# Altium PCB ccd_bottom.PcbDoc (part 1 of 2)
Units mil, origin at the board's own origin, x right, y up, seen from the top; angles counter-clockwise.
Board outline 3937.01 x 3937.01 mil, 4 copper layers (Top Layer, GND2, PWR3, Bottom Layer), stack 72.967 mil thick; 86 components, 82 nets, 458 pads, 171 vias.
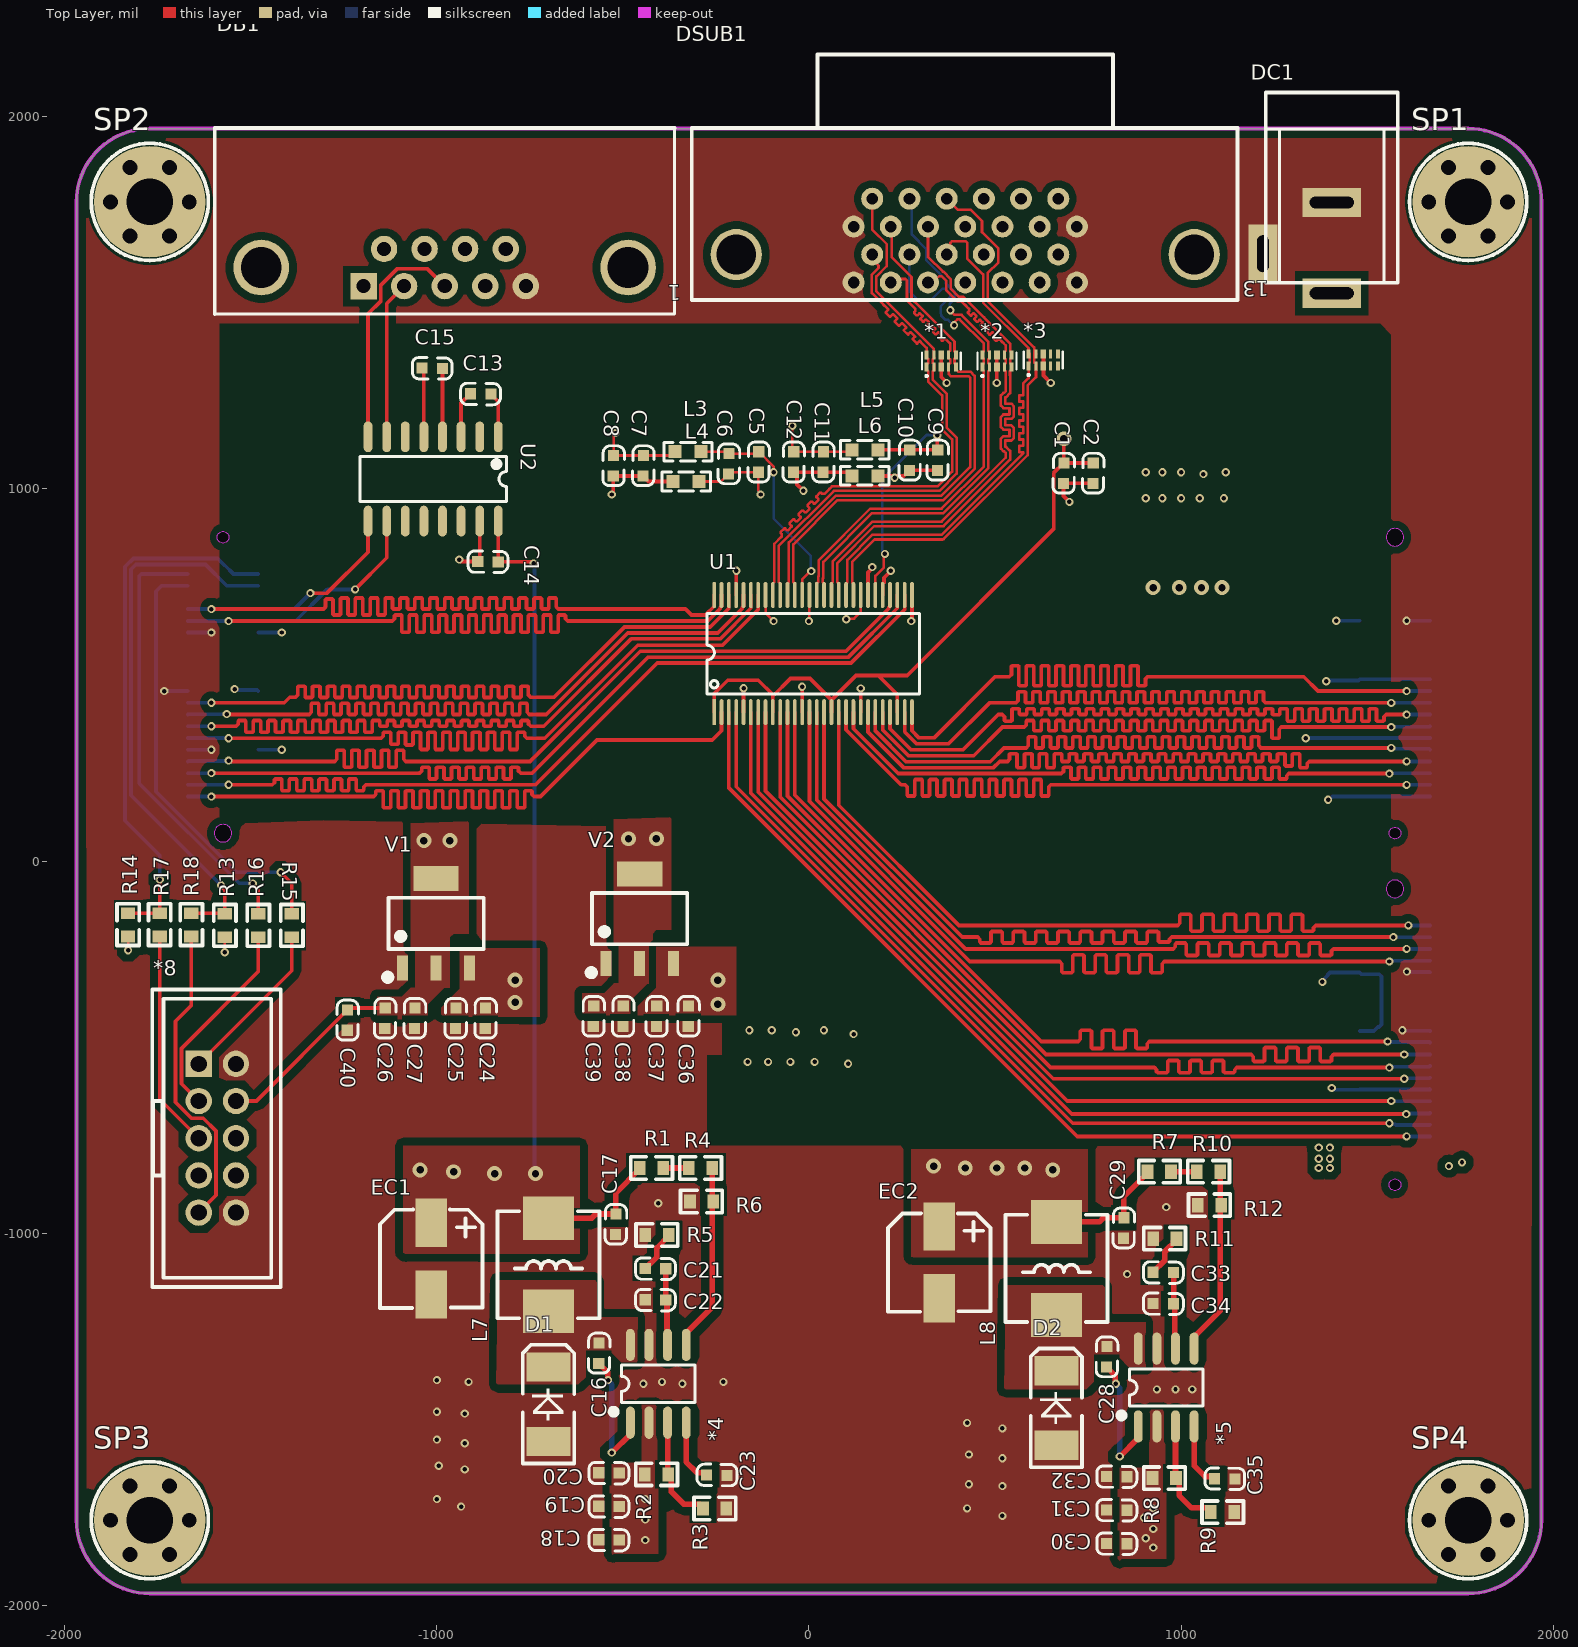
[diagram p0: Top Layer view]
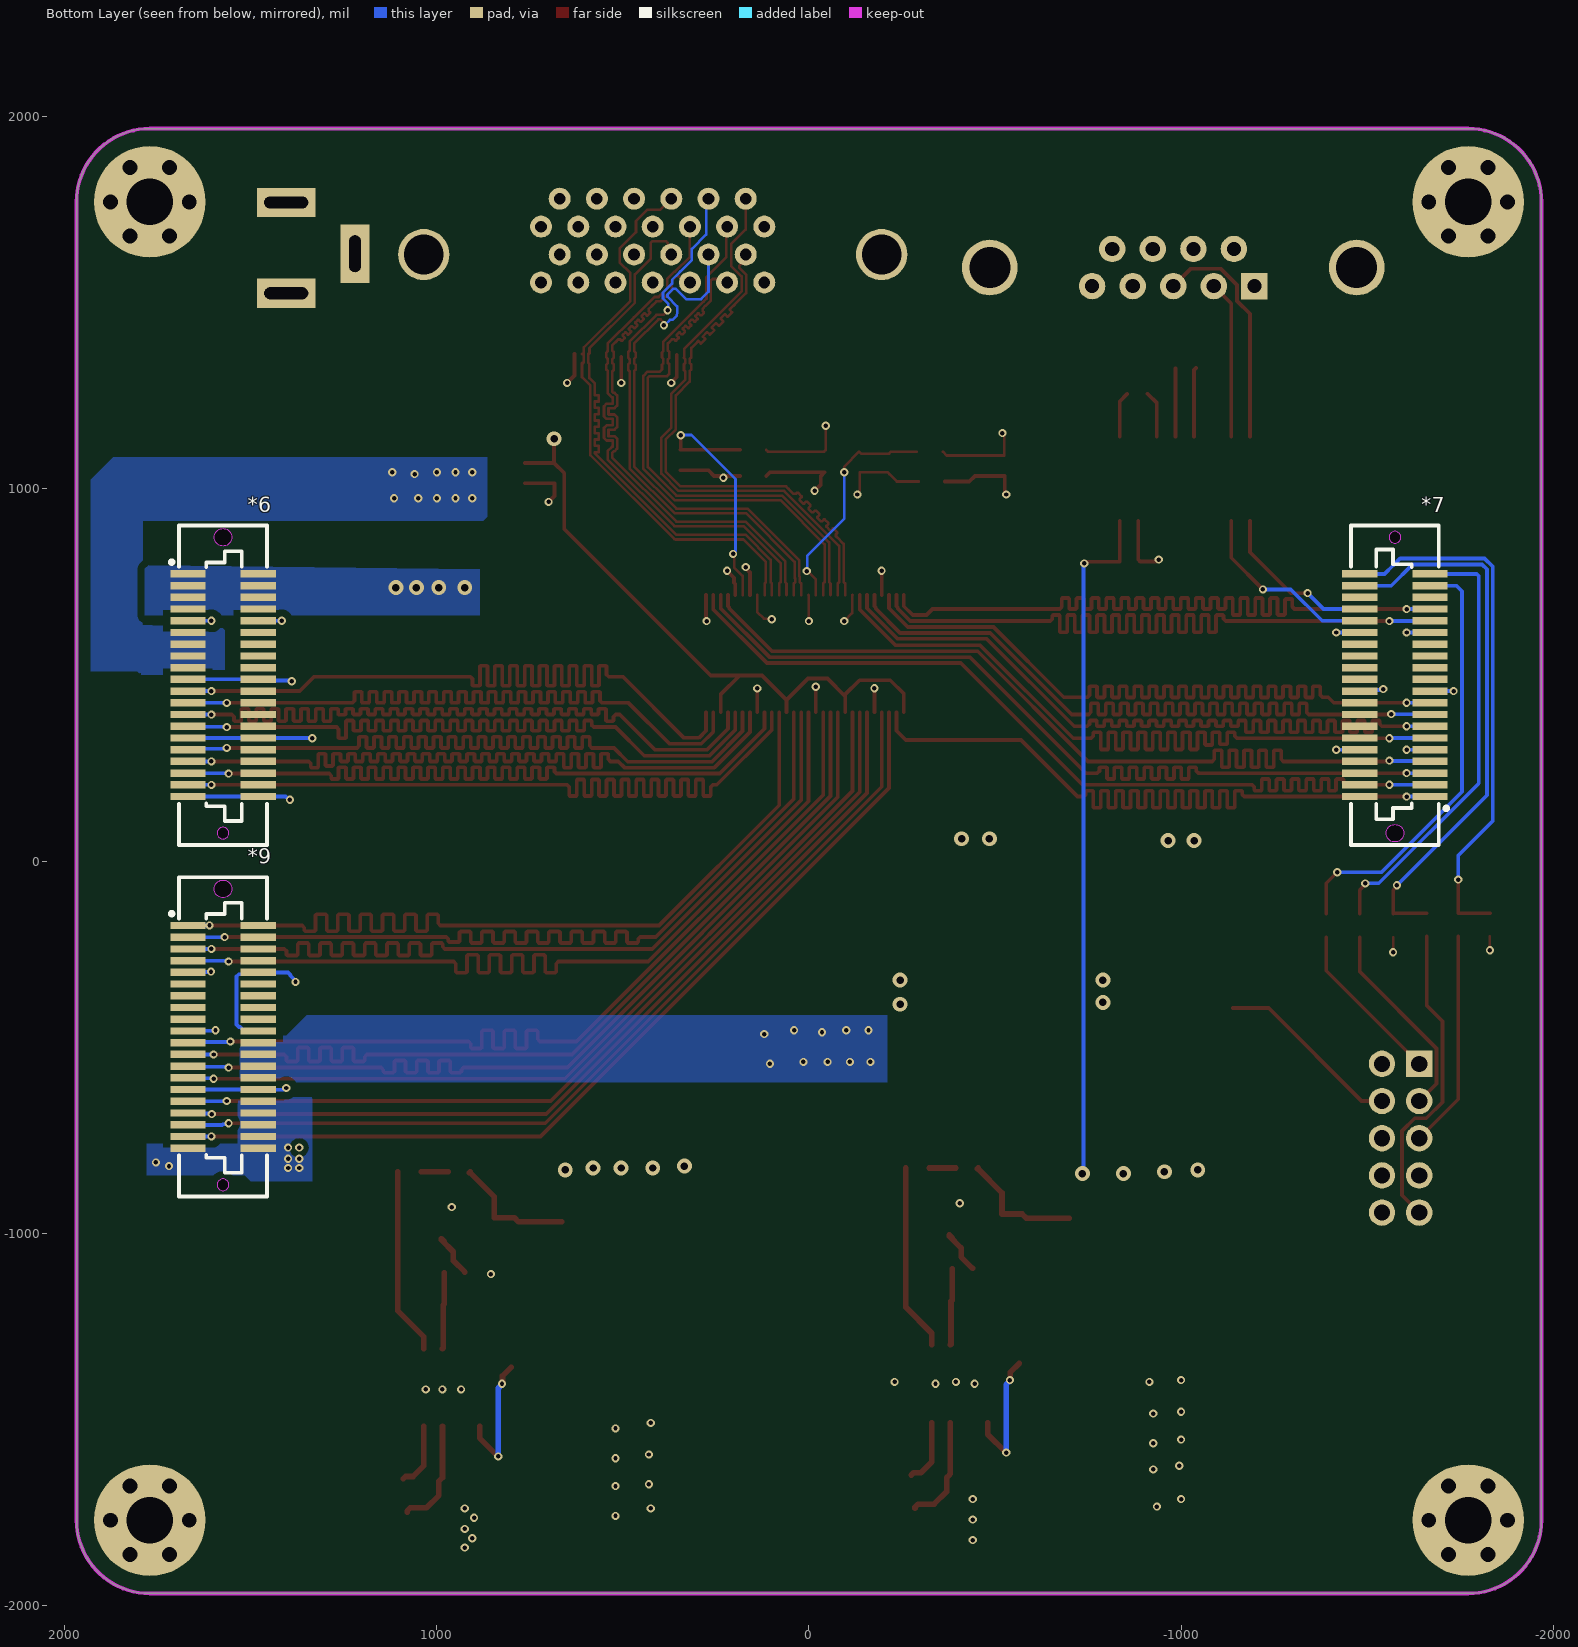
[diagram p1: Bottom Layer view, seen from below]
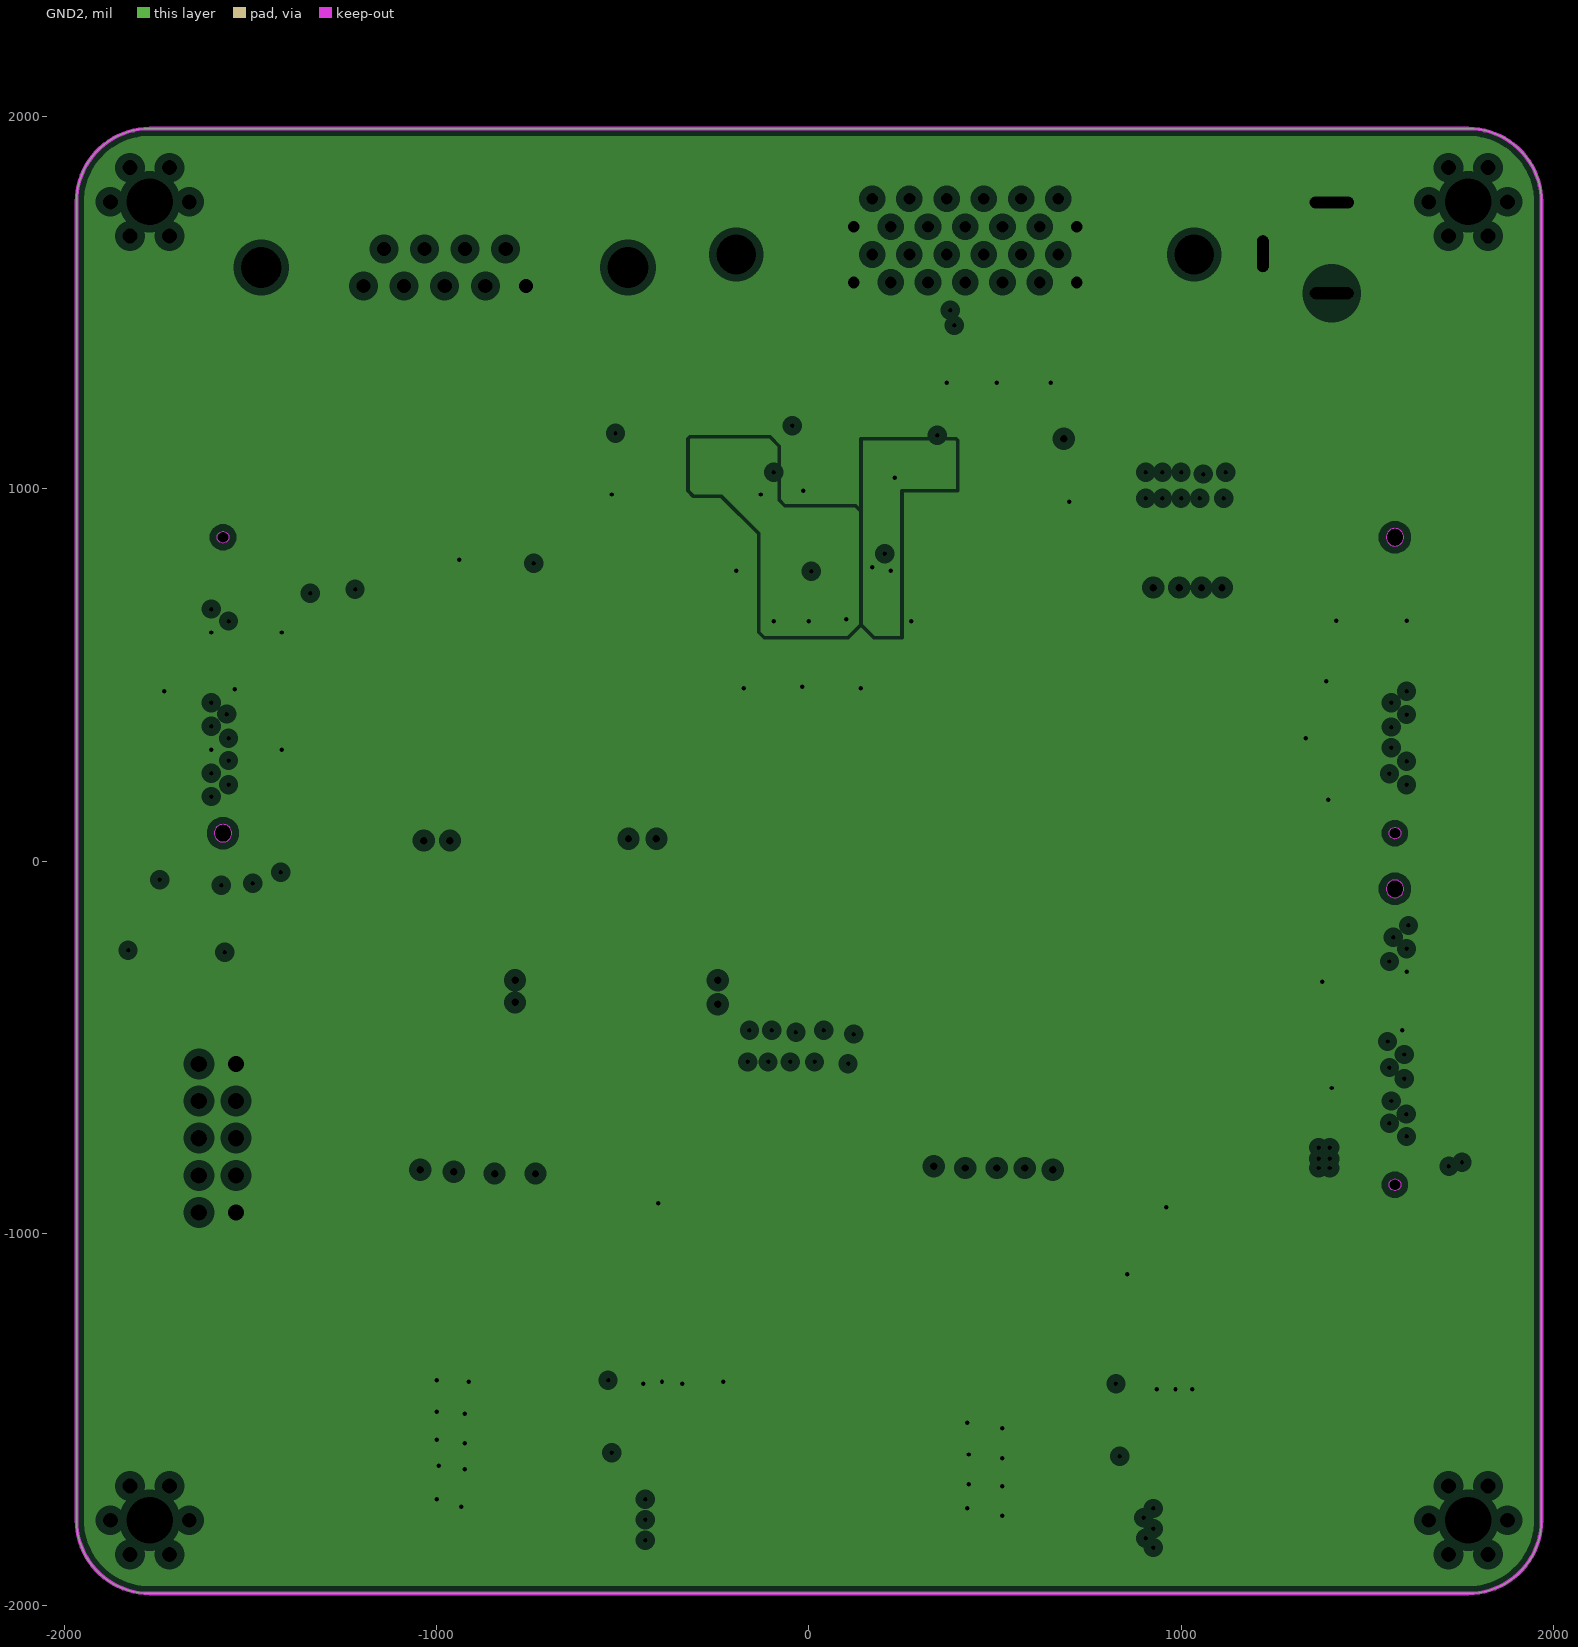
[diagram p2: GND2, clearances drawn from the general rule]
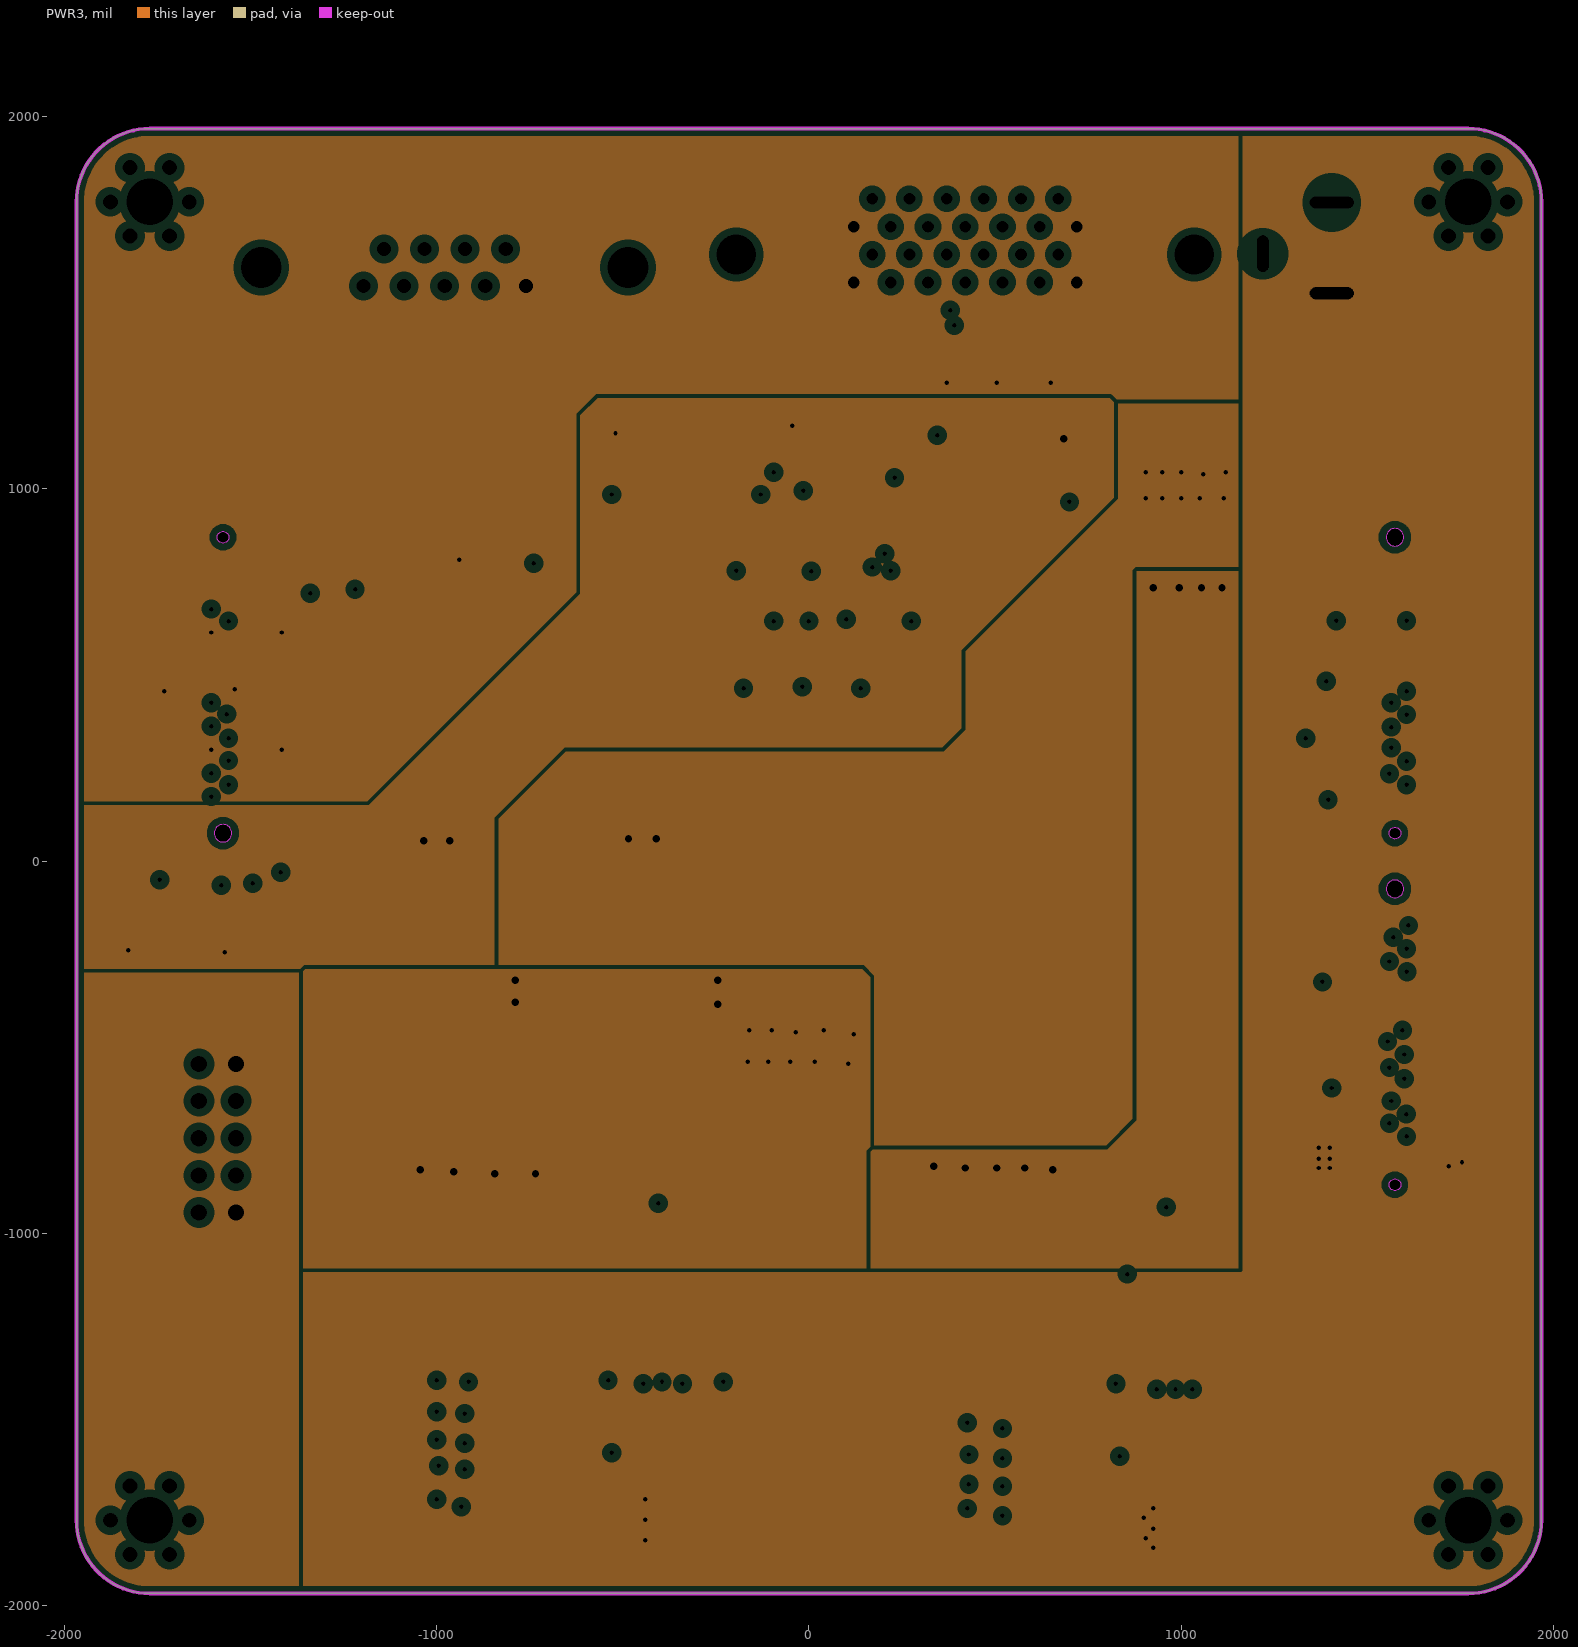
[diagram p3: PWR3, clearances drawn from the general rule]
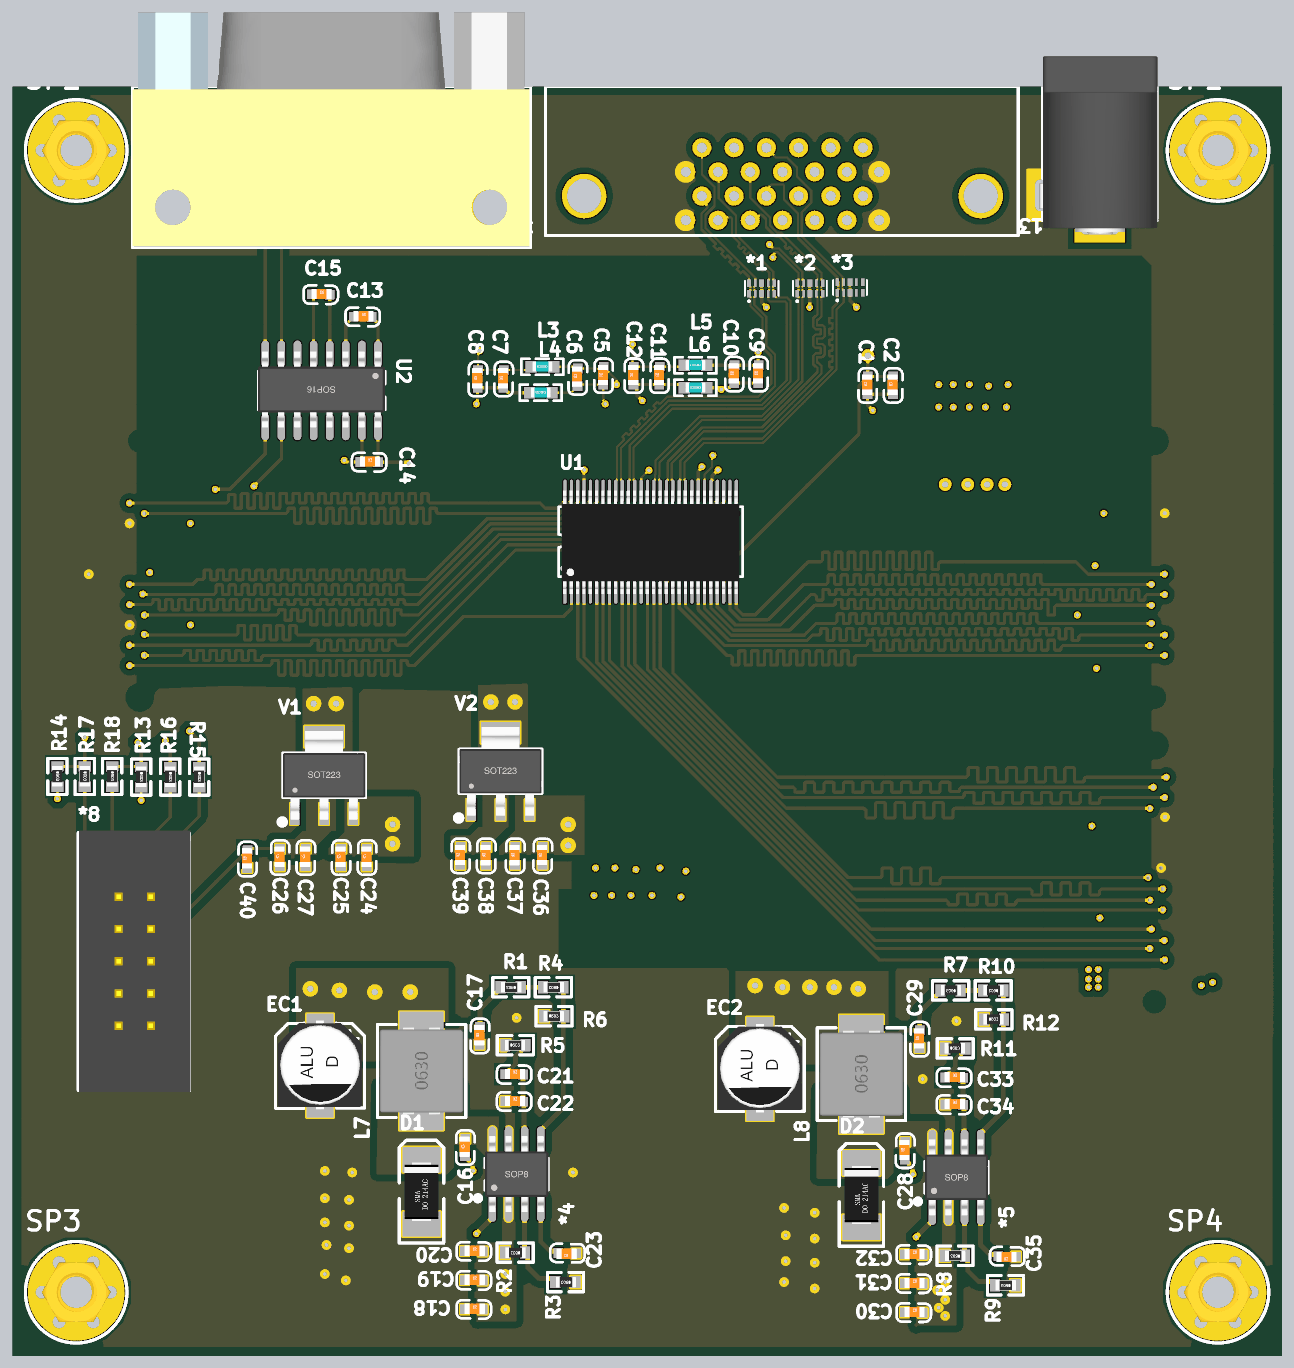
[diagram p5: 3D render of the assembled board from above, using the file's embedded part models]
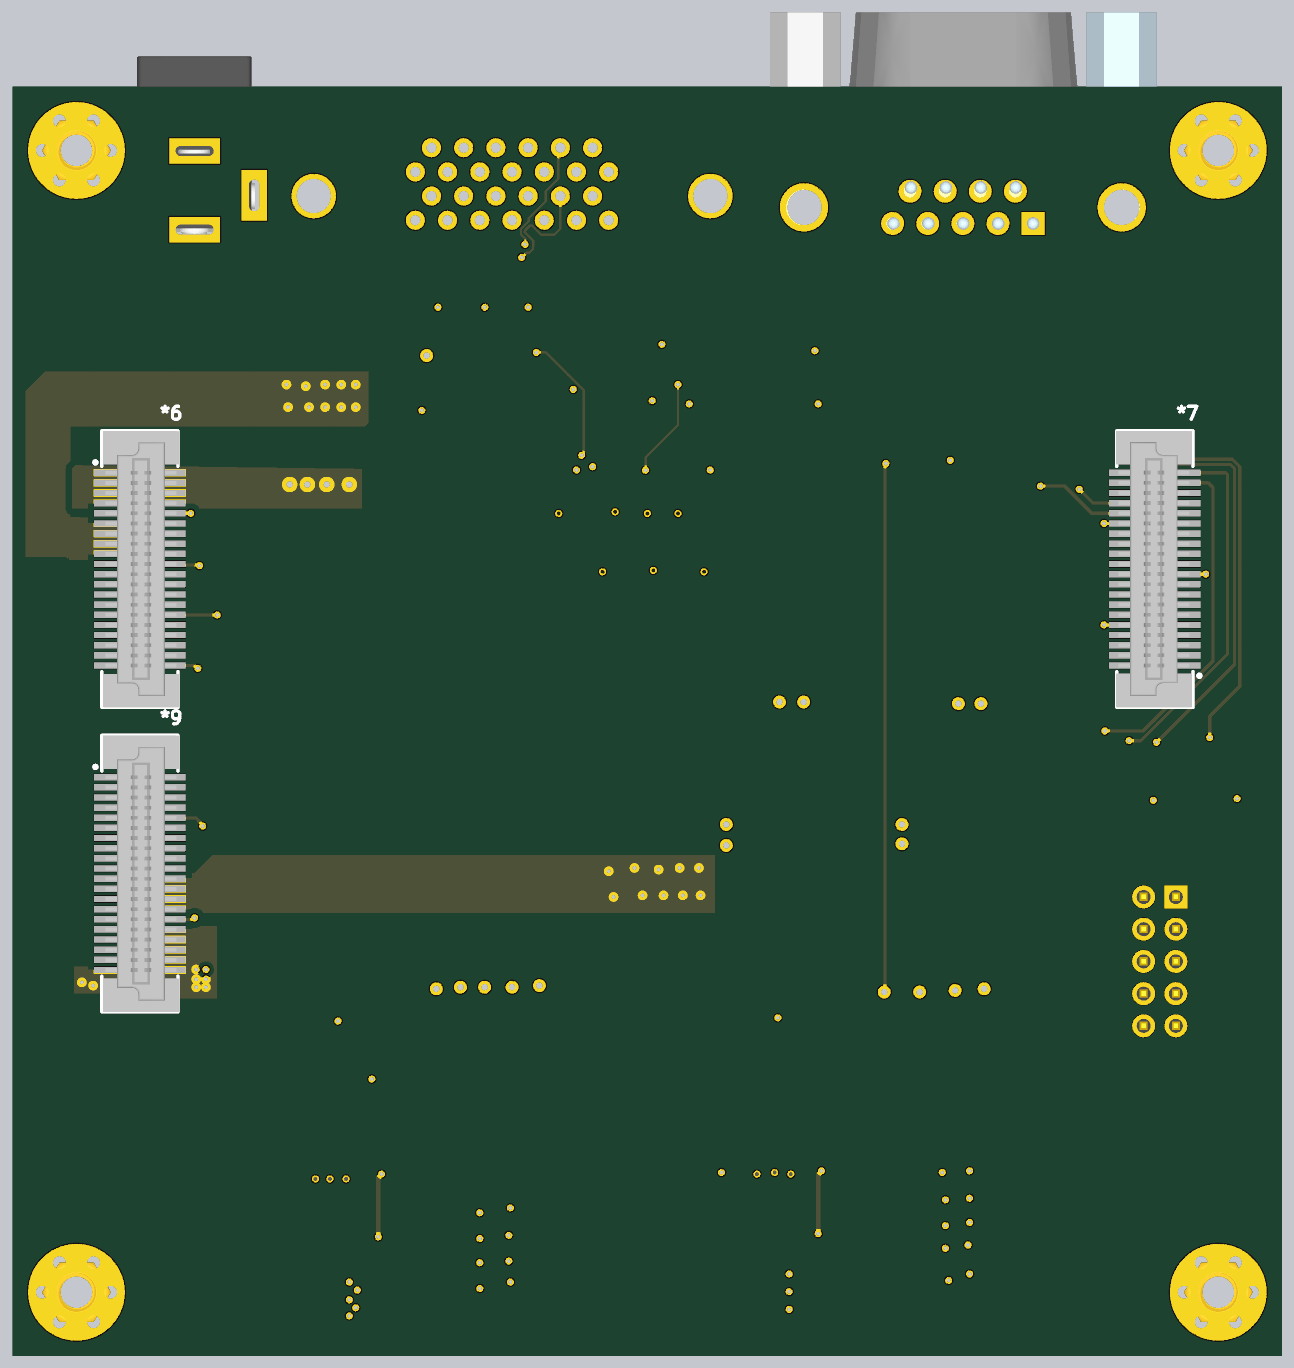
[diagram p6: 3D render of the assembled board from below, using the file's embedded part models]

## Layer stack, top to bottom
Top Solder: solder mask 0.4, Solder Resist, Dk 3.5
Top Layer: signal copper 1.4
Dielectric 2: prepreg 2.8, PP-006, Dk 4.1
GND2: plane copper 1.378, net (Multiple Nets)
Dielectric 1: dielectric 61.811, FR-4, Dk 4.8
PWR3: plane copper 1.378, net +12
Dielectric 3: prepreg 2.8, PP-006, Dk 4.1
Bottom Layer: signal copper 1.4
Bottom Solder: solder mask 0.4, Solder Resist, Dk 3.5

## Board outline
-1968.5,-1771.65 -1968.5,1771.65 cw(c-1771.65,1771.65) -1771.65,1968.5 1771.65,1968.5 cw(c1771.65,1771.65) 1968.5,1771.65 1968.5,-1771.65 cw(c1771.65,-1771.65) 1771.65,-1968.5 -1771.65,-1968.5 cw(c-1771.65,-1771.65)

## Design rules (kind name [scope] priority, off if disabled: settings)
Clearance polygon [InPolygon] p1: gap=20 ignorepadtopadclearanceinfootprint=FALSE
Clearance Clearance_1 [All] p2: gap=6 ignorepadtopadclearanceinfootprint=FALSE
DiffPairsRouting [All] p1: maxlimit=10 minlimit=5 mostfreqgap=5 toplayer_minwidth=5 toplayer_maxwidth=7 toplayer_prefwidth=5 bottomlayer_minwidth=5 bottomlayer_maxwidth=7 bottomlayer_prefwidth=5 maxuncoupledlength=500
MinimumSolderMaskSliver [All] p1: minsoldermaskwidth=0
PlaneClearance [All] p1: clearance=20
PlaneConnect [All] p1: planeconnectstyle=Direct reliefexpansion=20 reliefentries=4 reliefconductorwidth=10 reliefairgap=10
PolygonConnect [All] p1: connectstyle=Direct reliefconductorwidth=10 reliefentries=4 polygonreliefangle="90 Angle" airgapwidth=10
RoutingVias [All] p1: holewidth=12 width=22 viastyle="Through Hole" minholewidth=12 minwidth=22 maxholewidth=12 maxwidth=22
SilkToSilkClearance [All] p1: silktosilkclearance=0
SilkToSolderMaskClearance [IsPad] p1: minsilkscreentomaskgap=0 clearancetoexposedcopper=TRUE
SolderMaskExpansion [All] p1: expansion=4 istentingtop=FALSE
Width [All] p1: maxlimit=50 minlimit=5 preferedwidth=10
24 further rules are at their usual default settings.

## Classes and differential pairs
component class power: *4 *5 C16 C17 C18 C19 C20 C21 C22 C23 C24 C25 C26 C27 C28 C29 C30 C31 C32 C33 C34 C35 C36 C37 C38 C39 D1 D2 DC1 EC1 EC2 L7 L8 R1 R2 R3 R4 R5 R6 R7 R8 R9 R10 R11 R12 V1 V2
component class Connect: *6 *7 *8 *9 C40 R13 R14 R15 R16 R17 R18 SP1 SP2 SP3 SP4
component class cameralink: *1 *2 *3 C1 C2 C5 C6 C7 C8 C9 C10 C11 C12 C13 C14 C15 DB1 DSUB1 L3 L4 L5 L6 U1 U2
differential pair XCLK: +XCK+ -XCLK-
differential pair X3: +X3+ -X3-
differential pair X2: +X2+ -X2-
differential pair X1: +X1+ -X1-
differential pair X0: +X0+ -X0-

## Components (designator, comment, footprint, x,y, rotation, side; value= is the part's Value field where it differs from the comment)
*1 "TVSX4" DFN-10 355.6,1343.7 r0 top
*2 "TVSX4" DFN-10 505.3,1343.7 r0 top
*3 "TVSX4" DFN-10 629.7,1346.3 r0 top
*4 "TPS54331DR" SOIC-8 -405,-1405 r90 top
*5 "TPS54331DR" SOIC-8 960,-1415 r90 top
*6 "BTB-08-40-G-H1.0" BTB-08-40-M-H1.0 1574.8,472.44 r270 bottom locked
*7 "BTB-08-40-G-H1.0" BTB-08-40-M-H1.0 -1574.8,472.44 r90 bottom locked
*8 "JTAG" JTAG -1590,-745 r270 top
*9 "BTB-08-40-G-H1.0" BTB-08-40-M-H1.0 1574.8,-472.44 r270 bottom locked
C1 "CAP" 0603C 683.65,1014.79 r90 top
C2 "CAP" 0603C 762.64,1014.79 r90 top
C5 "CAP" 0603C -136.35,1044.79 r90 top
C6 "CAP" 0603C -216.35,1039.79 r90 top
C7 "CAP" 0603C -446.36,1034.79 r90 top
C8 "CAP" 0603C -526.36,1034.79 r90 top
C9 "CAP" 0603C 344.65,1049.79 r90 top
C10 "CAP" 0603C 269.65,1049.79 r90 top
C11 "CAP" 0603C 37.64,1044.79 r90 top
C12 "CAP" 0603C -42.36,1044.79 r90 top
C13 "0.1u" 0603C -910.21,1256.35 r0 top
C14 "0.1u" 0603C -890.21,805.35 r0 top
C15 "0.1u" 0603C -1040.21,1325.35 r0 top
C16 "0.1u" 0603C -565.35,-1350.21 r90 top
C17 "47U" 0603C -520.1,-1003.96 r90 top
C18 "4.7u" 0603C -565.21,-1823.65 r0 top
C19 "4.7u" 0603C -565.21,-1733.65 r0 top
C20 "0.01u" 0603C -565.21,-1643.65 r0 top
C21 "1000p" 0603C -440.21,-1094.65 r0 top
C22 "47p" 0603C -440.21,-1178.65 r0 top
C23 "0.01u" 0603C -219.79,-1651.35 r180 top
C24 "4.7u" 0603C -870.35,-450.21 r90 top
C25 "0.1u" 0603C -950.35,-450.21 r90 top
C26 "4.7u" 0603C -1140.35,-450.21 r90 top
C27 "0.1u" 0603C -1060.35,-450.21 r90 top
C28 "0.1u" 0603C 799.65,-1360.21 r90 top
C29 "47U" 0603C 844.9,-1013.96 r90 top
C30 "4.7u" 0603C 799.79,-1833.65 r0 top
C31 "4.7u" 0603C 799.79,-1743.65 r0 top
C32 "0.01u" 0603C 799.79,-1653.65 r0 top
C33 "1000p" 0603C 924.79,-1104.65 r0 top
C34 "47p" 0603C 924.79,-1188.65 r0 top
C35 "0.01u" 0603C 1145.21,-1661.35 r180 top
C36 "4.7u" 0603C -325,-445 r90 top
C37 "0.1u" 0603C -410.35,-445.21 r90 top
C38 "4.7u" 0603C -500.35,-445.21 r90 top
C39 "0.1u" 0603C -580,-445 r90 top
C40 "0.1u" 0603C -1241.35,-455.21 r90 top
D1 "B340A" SMA/DO-214AC -700,-1555 r90 top
D2 "B340A" SMA/DO-214AC 665,-1565 r90 top
DB1 "DB9/F" DB9/F/90 -1197,1545 r180 top locked
DC1 "DC_Socket" DC-005 1405,1525.91 r90 top locked
DSUB1 "6321-026RDS1MWA02" MDR-26-horizontal 420,1667.5 r180 top locked
EC1 "47u" SMD-EC6.3X6.3X10 -1015.02,-971.27 r270 top
EC2 "47u" SMD-EC6.3X6.3X10 349.98,-981.27 r270 top
L3 "GZ1608D601TF" 0603L -290,1100 r180 top
L4 "GZ1608D601TF" 0603L -295,1020 r180 top
L5 "GZ1608D601TF" 0603L 185,1105 r180 top
L6 "GZ1608D601TF" 0603L 185,1035 r180 top
L7 "6.8uH" L-SMD-0630 -700,-1085 r90 top
L8 "6.8uH" L-SMD-0630 665,-1095 r90 top
R1 "0R" 0603R -392.01,-825 r180 top
R2 "332k" 0603R -378.5,-1648.5 r180 top
R3 "68.1k" 0603R -222.01,-1740 r180 top
R4 "24.9k" 0603R -260,-825 r180 top
R5 "29.4k" 0603R -440,-1005 r0 top
R6 "4.7k" 0603R -320,-915 r0 top
R7 "0R" 0603R 972.99,-835 r180 top
R8 "332k" 0603R 986.5,-1658.5 r180 top
R9 "68.1k" 0603R 1142.99,-1750 r180 top
R10 "24.9k" 0603R 1105,-835 r180 top
R11 "29.4k" 0603R 925,-1015 r0 top
R12 "4.7k" 0603R 1045,-925 r0 top
R13 "4.7k" 0603R -1570,-142.01 r270 top
R14 "4.7k" 0603R -1830,-140 r270 top
R15 "33R" 0603R -1390,-142.01 r270 top
R16 "33R" 0603R -1480,-142.01 r270 top
R17 "33R" 0603R -1745,-140 r270 top
R18 "33R" 0603R -1660,-140 r270 top
SP1 "M3铜柱" M3x4_N 1771.65,1771.65 r0 top locked
SP2 "M3铜柱" M3x4_N -1771.65,1771.65 r0 top locked
SP3 "M3铜柱" M3x4_N -1771.65,-1771.65 r0 top locked
SP4 "M3铜柱" M3x4_N 1771.65,-1771.65 r0 top locked
U1 "DS90CR287MTDX/NOPB" TSSOP-56 -254.65,400.04 r90 top locked
U2 "MAX232" SOP16 -835,1141.81 r270 top
V1 "AMS1117-3V3" SOT223_L -1002.28,-167.46 r0 top
V2 "AMS1117-3V3" SOT223_L -455,-155 r0 top locked
